# Altium PCB Main Board.PcbDoc
Units mm, origin at the board's own origin, x right, y up, seen from the top; angles counter-clockwise.
Board outline 100 x 71.65 mm, 2 copper layers (Top Layer, Bottom Layer); 60 components, 45 nets, 182 pads, 42 vias.
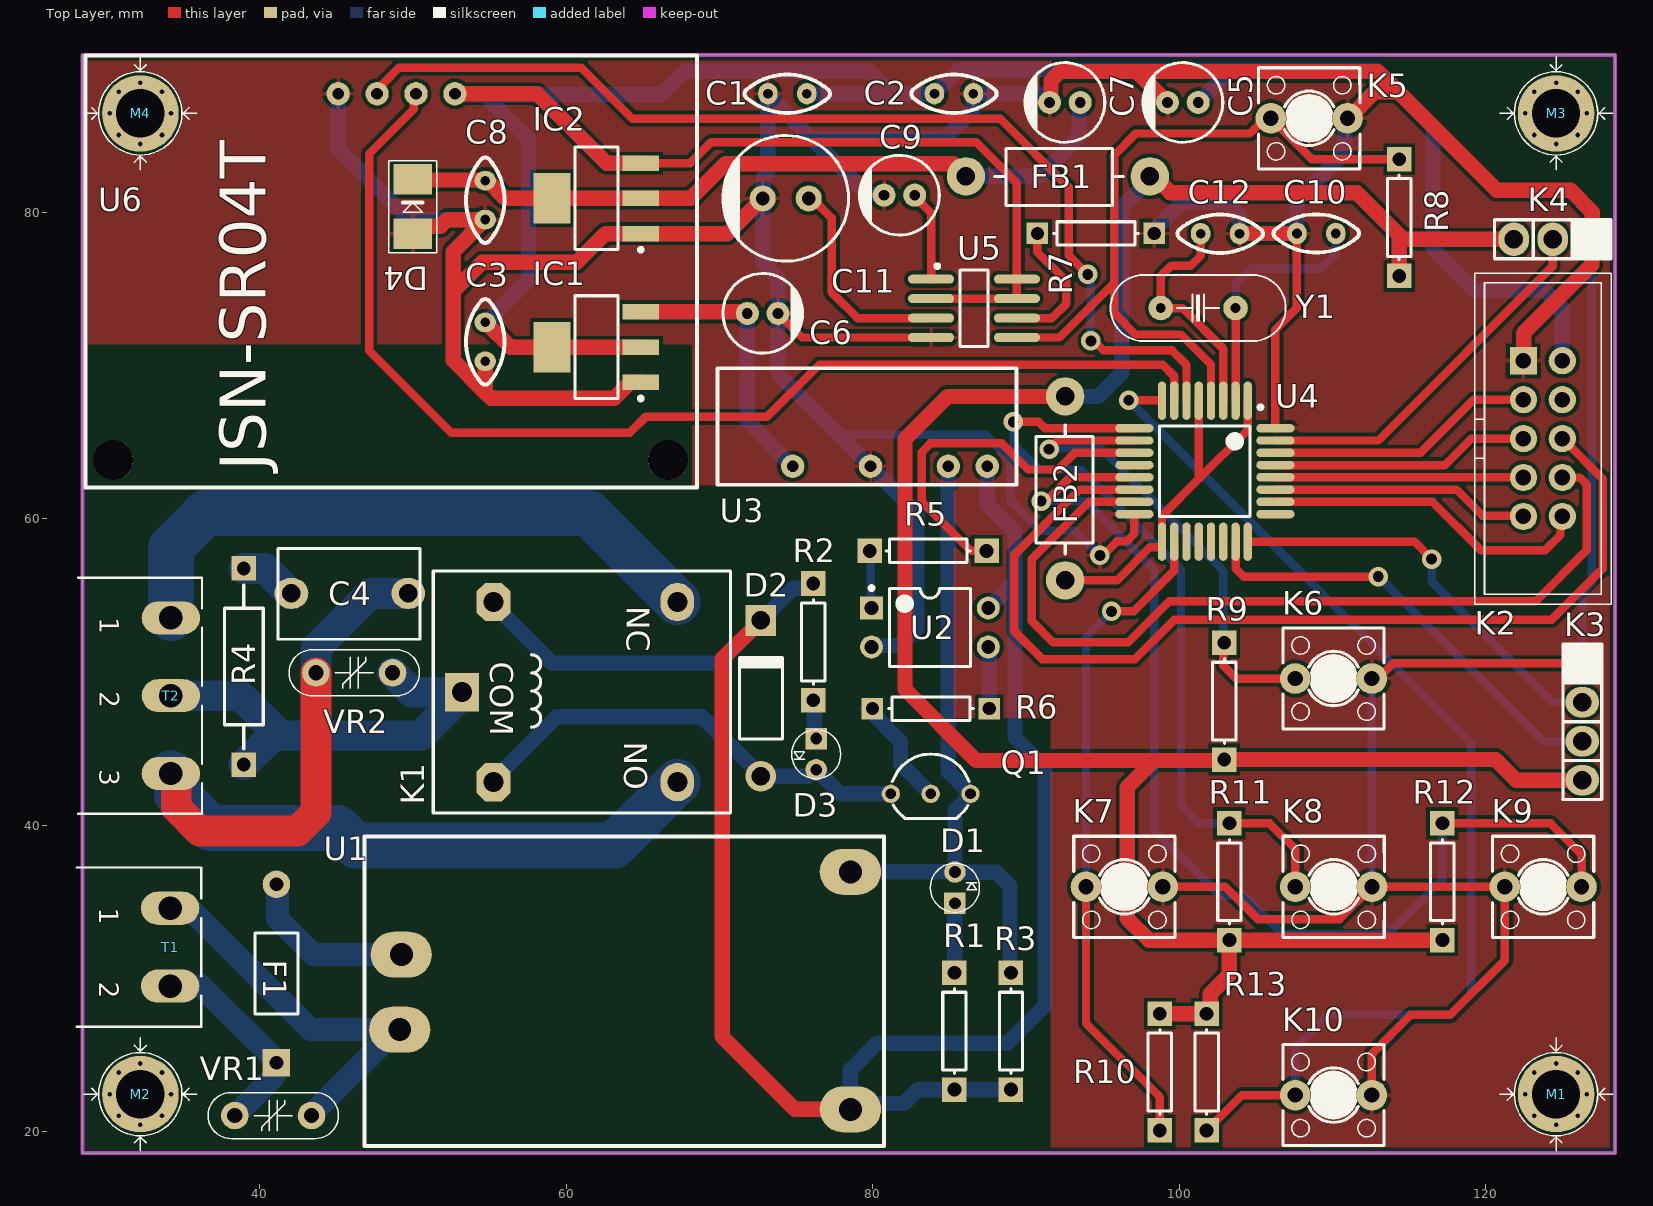
[diagram p0: Top Layer view]
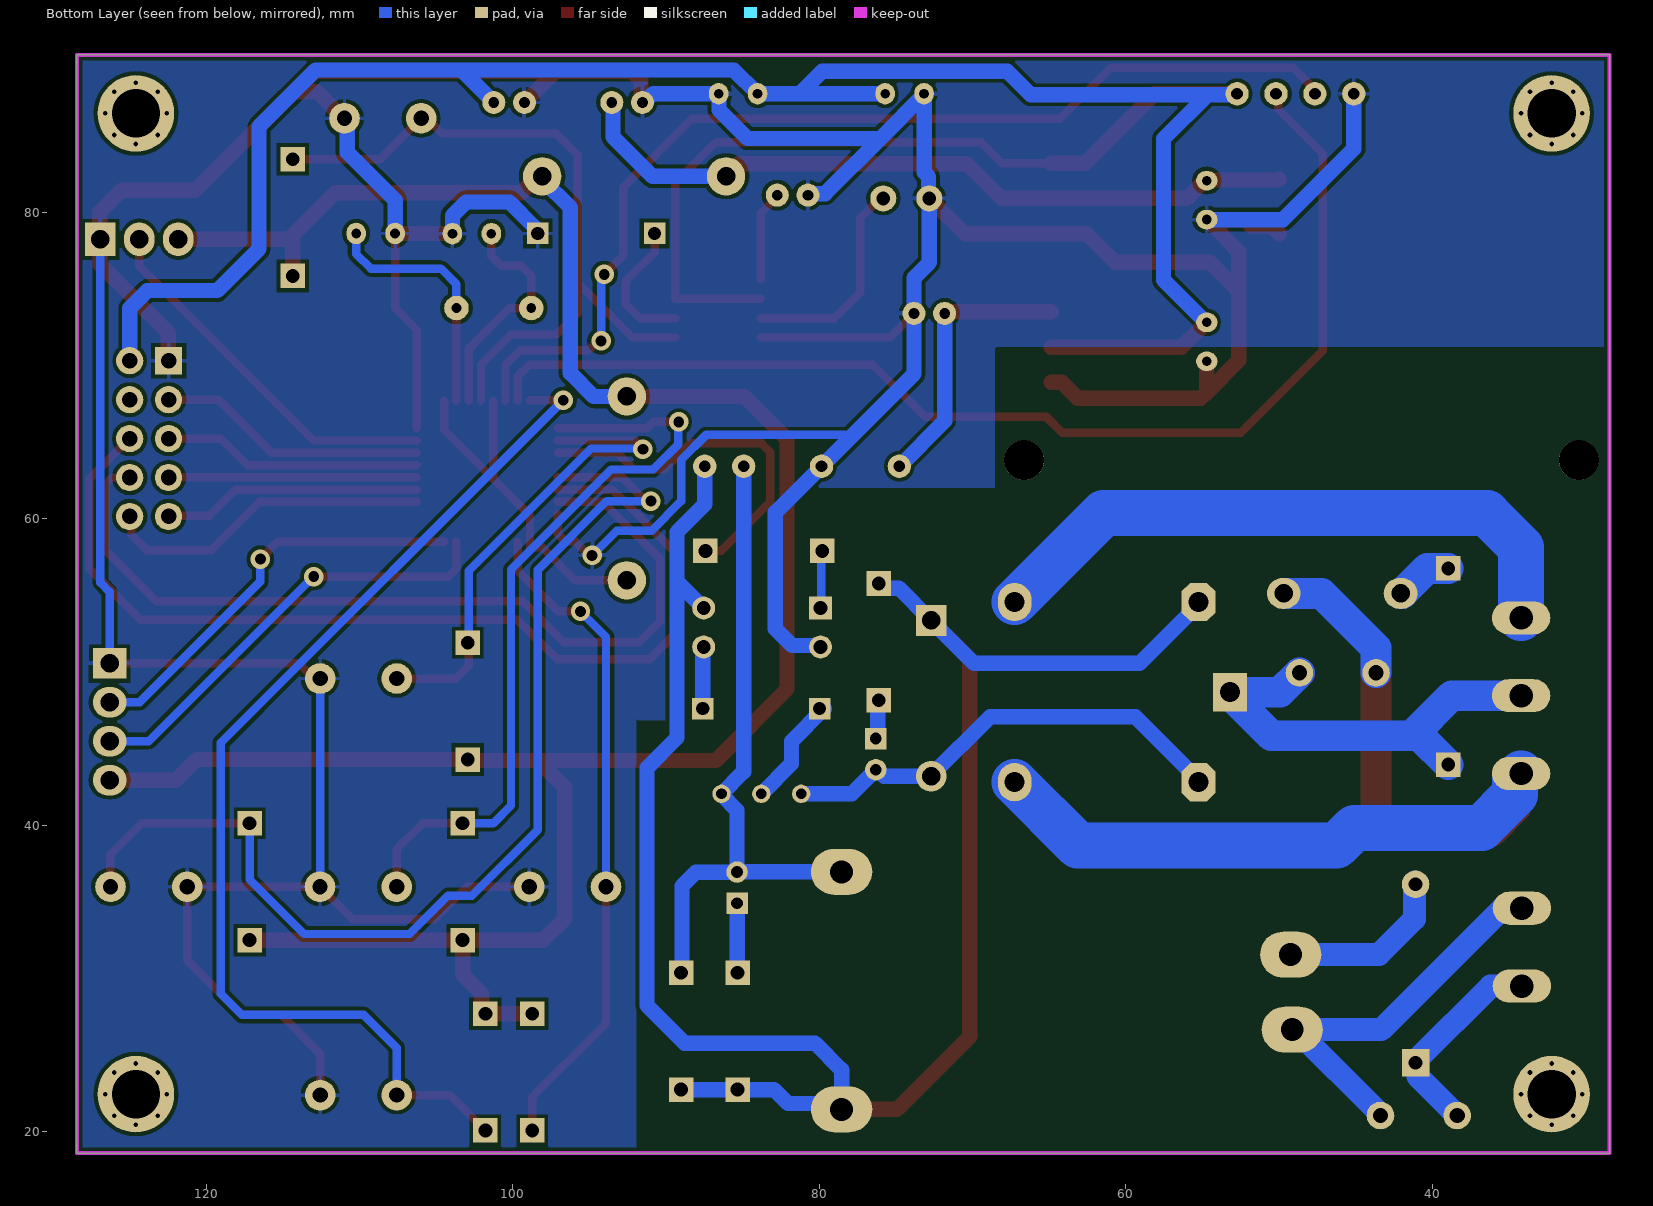
[diagram p1: Bottom Layer view, seen from below]
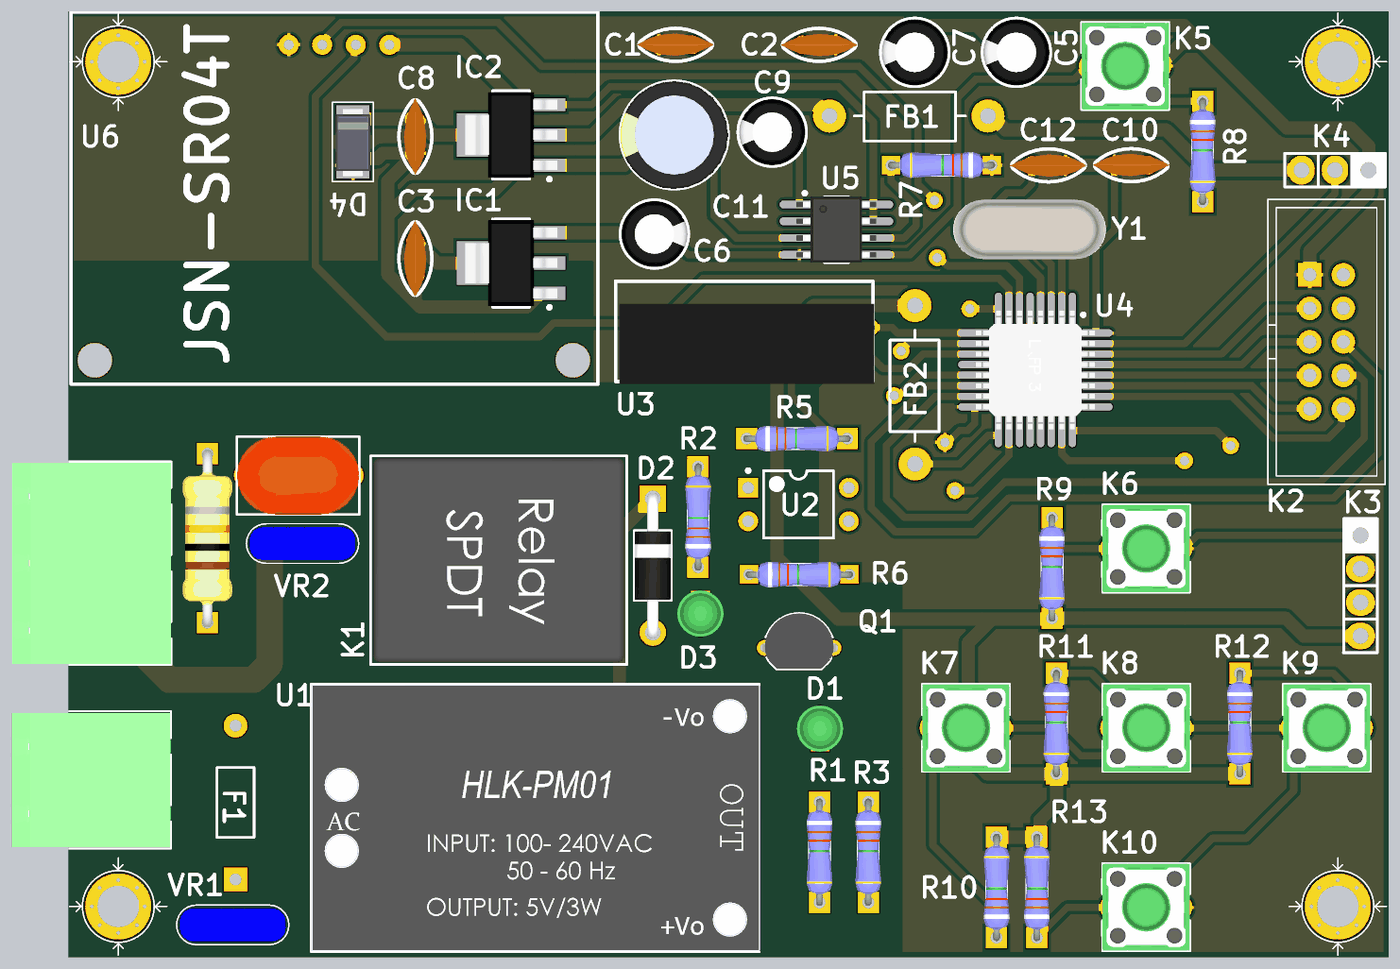
[diagram p2: 3D render of the assembled board from above, using the file's embedded part models]

## Layer stack, top to bottom
Top Solder: solder mask 0.0102, Solder Resist, Dk 3.5
Top Layer: signal copper 0.0356
Dielectric 1: dielectric 0.32, FR-4, Dk 4.8
Bottom Layer: signal copper 0.0356
Bottom Solder: solder mask 0.0102, Solder Resist, Dk 3.5

## Board outline
28.448,18.618 28.448,90.266 128.448,90.266 128.448,18.618

## Design rules (kind name [scope] priority, off if disabled: settings)
Clearance [All] p1: gap=0.25 ignorepadtopadclearanceinfootprint=FALSE
Height [All] p1: minheight=0 maxheight=50 prefheight=12.7
PolygonConnect [All] p1: connectstyle=Relief reliefconductorwidth=0.254 reliefentries=4 polygonreliefangle="90 Angle" airgapwidth=0.254
RoutingVias [All] p1: holewidth=0.711 width=1.27 viastyle="Through Hole" minholewidth=0.711 minwidth=1.27 maxholewidth=0.711 maxwidth=1.27
SolderMaskExpansion [All] p1: expansion=0.102 istentingtop=FALSE
Width [All] p1: maxlimit=5 minlimit=0.254 preferedwidth=0.254
29 further rules are at their usual default settings.

## Classes and differential pairs
component class Schematic: C1 C2 C3 C4 C5 C6 C7 C8 C9 C10 C11 C12 D1 D2 D3 D4 F1 FB1 FB2 IC1 IC2 K1 K2 K3 K4 K5 K6 K7 K8 K9 K10 Q1 R1 R2 R3 R4 R5 R6 R7 R8 R9 R10 R11 R12 R13 T1 T2 U1 U2 U3 U4 U5 U6 VR1 VR2 Y1

## Components (designator, comment, footprint, x,y, rotation, side; value= is the part's Value field where it differs from the comment)
C1 "Capacitor." Cap_100nF 74.442,87.731 r180 top value=100nF
C2 "Capacitor." Cap_100nF 85.305,87.731 r0 top value=100nF
C3 "Capacitor." Cap_100nF 54.728,71.544 r270 top value=100nF
C4 "10nF" Cap-100nF-400V 49.705,55.128 r180 top
C5 "Capacitor_Ele" cap-ele-02. 100.246,87.161 r180 top value=22uF
C6 "Capacitor_Ele" cap-ele-02. 72.833,73.399 r0 top value=10uF
C7 "Capacitor_Ele" cap-ele-02. 92.549,87.161 r180 top value=22uF
C8 "Capacitor." Cap_100nF 54.728,80.789 r270 top value=100nF
C9 "Capacitor_Ele" cap-ele-02. 81.752,81.113 r180 top value=0.1uF
C10 "Capacitor." Cap_100nF 108.954,78.614 r180 top value=18pF
C11 "Capacitor_Ele" Cap-Ele-03. 74.333,80.903 r180 top value=220uF
C12 "Capacitor." Cap_100nF 102.675,78.6 r0 top value=18pF
D1 "LED3MM" LED3mm_GRN 85.373,35.932 r90 top
D2 "1N4148" DO_41 72.712,48.286 r90 top
D3 "LED3MM" LED3mm_GRN 76.319,44.644 r270 top
D4 "SMBJ3.3A" DO214AA 50.007,77.718 r270 top
F1 "250V/1A" PIN-W2/E2.8 41.107,30.329 r90 top
FB1 "25-100MHz Ferrite" Ferrite 86.092,82.341 r0 top
FB2 "25-100MHz Ferrite" Ferrite 92.57,67.981 r270 top
IC1 "AMS1117-5V" MP04A_N 61.978,71.199 r180 top
IC2 "AMS1117-3.3V" MP04A_N 61.978,80.903 r180 top
K1 "" "Relay 18.85x15.35x15.70" 60.238,48.689 r270 top
K2 "IDC10" IDC10-B 122.465,70.311 r270 top
K3 "PROGRAM" HEADER-1X4 126.307,50.568 r0 top
K4 "BOOT0" HEADER-1X3 126.918,78.236 r270 top
K5 "RESET" SW_4 108.49,86.127 r0 top
K6 "UP_KEY" SW_4 110.075,49.575 r180 top
K7 "LEFT_KEY" SW_4 96.425,35.988 r180 top
K8 "OK_KEY" SW_4 110.087,35.988 r180 top
K9 "RIGHT_KEY" SW_4 123.75,35.987 r0 top
K10 "DOWN_KEY" SW_4 110.075,22.4 r180 top
M1 "Comment" "Board Screw 3mm" 124.595,22.458 r0 top
M2 "Comment" "Board Screw 3mm" 32.227,22.458 r0 top
M3 "Comment" "Board Screw 3mm" 124.595,86.449 r0 top
M4 "Comment" "Board Screw 3mm" 32.227,86.449 r0 top
Q1 "BC547" "TO-92 BENT" 83.793,42.053 r0 top
R1 "Resistor" Resistor_0.25w-0.3#1 85.34,26.567 r270 top value=1K
R2 "Resistor" Resistor_0.25w-0.3#1 76.135,51.966 r90 top value=1K
R3 "Resistor" Resistor_0.25w-0.3#1 89.031,26.567 r270 top value=1K
R4 "Resistor" Resistor_0.5W 38.976,50.36 r90 top value=39
R5 "Resistor" Resistor_0.25w-0.3#1 83.631,57.905 r0 top value=1K
R6 "Resistor" Resistor_0.25w-0.3#2 83.804,47.608 r0 top value=220
R7 "Resistor" Resistor_0.25w-0.3#2 94.569,78.614 r180 top value=10K
R8 "Resistor" Resistor_0.25w-0.3#1 114.358,79.651 r270 top value=10K
R9 "Resistor" Resistor_0.25w-0.3#1 102.95,48.098 r270 top value=2.2K
R10 "Resistor" Resistor_0.25w-0.3#1 98.741,23.901 r90 top value=2.2K
R11 "Resistor" Resistor_0.25w-0.3#1 103.281,36.318 r270 top value=2.2K
R12 "Resistor" Resistor_0.25w-0.3#1 117.175,36.318 r270 top value=2.2K
R13 "Resistor" Resistor_0.25w-0.3#1 101.795,23.901 r90 top value=2.2K
T1 "AC INPUT" "MSTB 2,5/2-G-5,08" 34.175,32.05 r270 top
T2 "RELAY-OUT" "MSTB 2,5/3-G-5,08" 34.217,48.457 r270 top
U1 "HLK-PM12" HLK-PM 49.152,26.668 r0 top
U2 "Optoisolator1" DIP-4 83.743,52.908 r0 top
U3 "MA03-12S09" MA03-12S09 79.784,65.122 r180 top
U4 "STM32F030K6T6" LQFP32 101.683,63.105 r270 top
U5 "TL7705AD" D008_N 86.618,73.73 r0 top
U6 "JSN-SR04T" JSN-SR04T-H 52.753,87.731 r180 top
VR1 "7D391K" "07D XXX" 40.896,21.062 r0 top
VR2 "7D391K" "07D XXX" 46.184,49.952 r180 top
Y1 "8MHz" "XTAL Small" 101.243,73.748 r180 top

## Footprints (in the part's own frame and the unit in brackets; to place one, negate y for a bottom-side part, rotate by r counter-clockwise, add the part's x,y. Pads: shape width x height; smd on the part's side, far side on the other; paste and mask are expansions set on the pad)
"07D XXX" [mm] "MOV-07DxxxK Metal Oxide Varistors (MOVs) are 7 mm-Design:Abbas Basereh"
  round 1.8 hole 1: 1(2.5,0) 2(-2.5,0)
  silkscreen extent -4.25,-1.5 4.25,1.5, body extent -4,-1.26 4,1.25, height 11
"Board Screw 3mm" [mm]
  round 5 hole 3.15 mask+0.1: S(0,0)
  silkscreen extent -3.68,-3.68 3.68,3.68
Cap-100nF-400V [mm] "Bipolar Capacitor-Design:Ali Hafizi"
  oval 2.2x2 hole 1.2: 1(0,0) 2(7.62,0)
  silkscreen extent -0.77,-2.93 8.5,2.99, body extent -0.77,-2.93 8.5,2.99, height 11.68
cap-ele-02. [mm]
  round 1.5 hole 0.7: 1(-1,0) 2(1,0)
  silkscreen extent -2.6,-2.6 2.6,2.6, body extent -2.5,-2.5 2.49,2.5, height 7.26
Cap-Ele-03. [mm]
  round 1.7 hole 0.9: 1(-1.5,0) 2(1.5,0)
  silkscreen extent -4.1,-4.1 4.1,4.1, body extent -4.1,-4.1 4.1,4.1, height 14.65
Cap_100nF [mil]
  oval 50x55 hole 25: 1(-50,0) 2(50,0)
  silkscreen extent -110,-49 110,49, body extent -115,-34 115,33, height 272
D008_N [mm] "SOIC, 8-Leads, Body 4.9x3.9mm, Pitch 1.27mm, IPC Medium Density"
  oval 3x0.6 smd: 1(-2.8,1.905) 2(-2.8,0.635) 3(-2.8,-0.635) 4(-2.8,-1.905) 5(2.8,-1.905) 6(2.8,-0.635) 7(2.8,0.635) 8(2.8,1.905)
  silkscreen extent -2.52,-2.5 0.9,2.88, body extent -3.02,-2.51 3.02,2.51, height 1.6
DIP-4 [mm] "DIP; 4 Leads; Row Spacing 7.62 mm; Pitch 2.54 mm"
  rect 1.5x1.5 hole 0.9: 1(-3.81,1.27)
  round 1.5 hole 0.9: 2(-3.81,-1.27) 3(3.81,-1.27) 4(3.81,1.27)
  silkscreen extent -3.93,-2.55 2.65,2.69, body extent -3.15,-2.5 3.15,2.5, height 5.6
DO214AA [mm]
  rect 2x2.5 smd: A(-0.875,0) K(-4.425,0)
  silkscreen extent -5.65,-1.58 0.35,1.55, body extent -5.2,-1.3 0,1.3, height 2.4
DO_41 [mm]
  round 2 hole 1.2: 1(-5.08,0)
  rect 2x2 hole 1.2: 2(5.08,0)
  silkscreen extent -2.65,-1.4 2.75,1.4, body extent -5.51,-1.36 5.51,1.36, height 2.72
Ferrite [mm]
  round 2.5 hole 1.2: 1(0,0) 2(12,0)
  silkscreen extent 1.88,-1.9 10.29,1.82
HEADER-1X3 [mm]
  rect 2.2x2 hole 1.2: 1(0,0)
  oval 2.2x2 hole 1.2: 2(0,-2.54) 3(0,-5.08)
  silkscreen extent -1.27,-6.35 1.27,1.27, body extent -1.27,-6.35 1.27,1.27, height 11.94
HEADER-1X4 [mm]
  rect 2.2x2 hole 1.2: 1(0,0)
  oval 2.2x2 hole 1.2: 2(0,-2.54) 3(0,-5.08) 4(0,-7.62)
  silkscreen extent -1.3,-8.89 1.27,1.27, body extent -1.27,-8.89 1.27,1.27, height 11.94
HLK-PM [mm]
  oval 4x3 hole 1.5: 0(0.1,4.9) 1(0,0) 2(29.4,-5.2) 3(29.4,10.3)
  silkscreen extent -2.3,-7.6 31.6,12.6, body extent -2.3,-7.6 31.7,12.6, height 17.6
IDC10-B [mil]
  rect 70x70 hole 40: 1(0,0)
  round 70 hole 40: 2(0,100) 3(100,0) 4(100,100) 5(200,0) 6(200,100) 7(300,0) 8(300,100) 9(400,0) 10(400,100)
  silkscreen extent -225,-125 625,225, body extent -225,-125 625,225, height 358
JSN-SR04T-H [mil]
  round 60 hole 30: 1(0,0) 2(100,0) 3(200,0) 4(300,0)
  round 102.36 hole 102.36: 6(-547.24,940.94) 7(877.95,940.94)
  silkscreen extent -622,-98 949,1012
LED3mm_GRN [mil]
  rect 55x55 hole 30: 1(-40,0)
  round 55 hole 30: 2(40,0)
  silkscreen extent -63,-63 63,63, body extent -69,-69 69,69, height 154
LQFP32 [mm]
  oval 2.5x0.55 smd: 1(-4.6,2.8) 2(-4.6,2) 3(-4.6,1.2) 4(-4.6,0.4) 5(-4.6,-0.4) 6(-4.6,-1.2) 7(-4.6,-2) 8(-4.6,-2.8) 17(4.6,-2.8) 18(4.6,-2) 19(4.6,-1.2) 20(4.6,-0.4) 21(4.6,0.4) 22(4.6,1.2) 23(4.6,2) 24(4.6,2.8)
  oval 0.55x2.5 smd: 9(-2.8,-4.6) 10(-2,-4.6) 11(-1.2,-4.6) 12(-0.4,-4.6) 13(0.4,-4.6) 14(1.2,-4.6) 15(2,-4.6) 16(2.8,-4.6) 25(2.8,4.6) 26(2,4.6) 27(1.2,4.6) 28(0.4,4.6) 29(-0.4,4.6) 30(-1.2,4.6) 31(-2,4.6) 32(-2.8,4.6)
  silkscreen extent -4.3,-2.95 2.95,3.75, body extent -4.5,-4.5 4.5,4.5, height 1.63
MA03-12S09 [mil]
  round 60 hole 30: 1(-303.15,66.93) 2(-203.15,66.93) 4(-3.15,66.93) 6(196.85,66.93)
  silkscreen extent -378,-185 390,114, body extent -382,-118 378,122, height 400
MP04A_N [mm] "SOT223, 4-Leads, Body 6.5x3.5mm, Pitch 2.3mm, Lead Span 7mm, IPC Medium Density"
  rect 2.4x1 smd: 1(-2.9,2.3) 2(-2.9,0) 3(-2.9,-2.3)
  rect 2.4x3.3 smd: 4(2.9,0)
  silkscreen extent -3.03,-3.35 1.4,3.47, body extent -3.49,-3.24 3.49,3.24, height 1.64
"MSTB 2,5/2-G-5,08" [mil] "Header, Nominal current: 12 A Rated voltage (III/2): 320 V Number of positions: 2 Pitch: 5.08 mm Color: green Contact surface: Tin Assembly: Soldering DESIGNER:ABBAS BASEREH"
  oval 85x150 hole 60: 1(-100,0) 2(100,0)
  silkscreen extent -205,-240 205,80, body extent -199,-394 201,79, height 340
"MSTB 2,5/3-G-5,08" [mil] "Header, Nominal current: 12 A Rated voltage (III/2): 320 V Number of positions: 3 Pitch: 5.08 mm Color: green Contact surface: Tin Assembly: Soldering  DESIGNER:ABBAS BASEREH"
  oval 85x150 hole 60: 1(-200,0) 2(0,0) 3(200,0)
  silkscreen extent -303,-238 303,80, body extent -300,-394 300,79, height 340
PIN-W2/E2.8 [mm] "Thru-Hole; 2 Leads"
  rect 1.8x1.8 hole 0.9: 1(-5.825,0)
  round 1.8 hole 0.9: 2(5.825,0)
  silkscreen extent -2.65,-1.4 2.65,1.4
"Relay 18.85x15.35x15.70" [mm] "DESIGNER ABBAS BASEREH"
  rect 2.5x2.2 hole 1.3: 1(0,-7.025)
  oval 2.5x2.2 hole 1.3: 2(-5.875,7.025) 3(5.875,7.025)
  oct 2.5x2.2 hole 1.3: 4(-5.875,-4.975) 5(5.875,-4.975)
  silkscreen extent -7.9,-8.9 7.9,10.5, body extent -7.75,-8.7 7.75,10.3, height 15.6
Resistor_0.5W [mm]
  rect 1.6x1.6 hole 0.9: 1(-6.4,0) 2(6.4,0)
  silkscreen extent -5.38,-1.27 5.32,1.27, body extent -6.75,-1.87 6.7,1.87, height 4.38
Resistor_0.25w-0.3#1 [mm] "Axial Device, Thru-Hole; 2 Leads; 0.3 in Pin Spacing"
  rect 1.6x1.6 hole 0.9: 1(-3.81,0) 2(3.81,0)
  silkscreen extent -2.77,-0.76 2.77,0.76, body extent -4.06,-0.98 4.06,0.97, height 2.51
Resistor_0.25w-0.3#2 [mm] "Axial Device, Thru-Hole; 2 Leads; 0.3 in Pin Spacing"
  rect 1.4x1.4 hole 0.85: 1(-3.81,0) 2(3.81,0)
  silkscreen extent -2.77,-0.76 2.77,0.76, body extent -4.06,-0.98 4.06,0.97, height 2.51
SW_4 [mm]
  round 2 hole 1: 1(-2.5,0) 2(2.5,0)
  silkscreen extent -3.3,-3.3 3.3,3.3, body extent -3.3,-3.3 3.3,3.3, height 9.53
"TO-92 BENT" [mm] "DESIGNER :ABBAS BASEREH"
  round 1.2 hole 0.7: 1(-2.6,0) 2(0,0) 3(2.6,0)
  silkscreen extent -2.51,-1.6 2.51,2.6, body extent -2.79,-1.59 2.79,2.61, height 10
"XTAL Small" [mm]
  round 1.6 hole 0.635: 1(-2.44,0) 2(2.44,0)
  silkscreen extent -5.71,-2.16 5.71,2.16, body extent -5.75,-2.25 5.75,2.25, height 3.56

## Part data
C1 C2 C3 C8 C10 C12: "Capacitor", LatestRevisionDate=17-Jul-2002, LatestRevisionNote="Re-released for DXP Platform.", Publisher="Altium Limited"
C4: library part "CAP CERAMIC TOTAL SIZE", "10nF/400V Polyester - DIP", Designer="Bardia Alikhan Afshar"
C5 C6 C7 C9 C11: library part Capacitor_Ele., Voltage=16v, LatestRevisionDate=17-Jul-2002, LatestRevisionNote="Re-released for DXP Platform.", Publisher="Altium Limited"
D1 D3: library part "LED 3MM", "Light Emitting Diode", Designer="Bardia Alikhan Afshar"
D2: library part Diode_1N4007, "Diode 1N4007", LatestRevisionDate=17-Jul-2002, LatestRevisionNote="Re-released for DXP Platform.", Publisher="Altium Limited"
D4: library part SMBJ12AVCL, "Transient Surpression Diode (Transil)", Manufacturer=STMicroelectronics, Manufacturer Part Number=SMBJ12CA-TR, Supplier Part Number 1=497-3002-2-ND, Supplier 1=Digi-Key
F1: library part "Fuse 1", "Fuse", LatestRevisionDate=17-Jul-2002, LatestRevisionNote="Re-released for DXP Platform.", PackageDescription="Thru-Hole; 2 Leads", PackageReference=PIN-W2/E2.8, Published=8-Jun-2000, Publisher="Altium Limited"
FB1 FB2: library part Ferrite
IC1 IC2: library part IC_LM1117IMP-x.x, "x.x Volt, 800mA Low-Dropout Linear Regulator, 4-pin SOT-223", Manufacturer="National Semiconductor", Operating Temperature="-55 ~ +125 (C)", PackageTopMarking=XYTT*N05B, Category="Integrated Circuit", Code_IPC=SOT223-4, ComponentLink1Description=Datasheet, ComponentLink1URL=www.datasheet4u.com, ComponentLink2Description=Reference, ComponentLink2URL=http://www.national.com/pf/LM/LM1117.html, DatasheetVersion=Apr-2006, Designer="Bardia Alikhan Afshar", ESD Sensetive=True/False, Mounting Technology="Surface Mount", PackageDescription="Molded SOT-223, 6.50 x 3.56 x 1.6mm Body, 4 Lead, 2.3mm Pitch", PackageReference=MP04A, PinCount=4, RoHS compliant=True/False, Status=Unrelease, Update=6/5/2012
K1: library part Relay_SPDT, "Single-Pole Dual-Throw Relay", ComponentLink1Description=Datasheet, Designer="Bardia Alikhan Afshar", Mounting Technology=Through-Hole, Pin Count=0, Update Date=2017-3-1
K2: "BOXHEADER 10 PIN", Color=Gray, Manufacturer Part Number=AWHW10G-0202-T-R, Supplier Part Number=HRP10H-ND, Category="Connectors, Interconnects", Connector type="Header, Shrouded", Contact Finish=Gold, Contact Finish Thickness=Flash, Contact Mating Length=-, Contact Type="Male Pin", Fastening Type=-, Features=-, Mounting Type="Through Hole", Number of Positions=10, Number of Positions Loaded=All, Number of Rows=2, Packaging=Tray, Pitch="0.100\" (2.54mm)", RoHS="RoHS Compliant", Row Spacing="0.100\" (2.54mm)", Supplier=Digi-Key, Supplier 1=Digi-Key, Supplier Part Number 1=HRP10H-ND, Termination=Solder
K3: library part HEADER-1X4, Supplier Part Number 1=S1011E-36-ND, Supplier 1=Digi-Key
K4: library part HEADER-1X3, Supplier Part Number 1=S1011E-36-ND, Supplier 1=Digi-Key
K5 K6 K7 K8 K9 K10: library part Push_Button, Design By="Bardia Alikhan Afshar"
Q1: "NPN General-purpose Transistor", Data=27-12-2016, Desc.="Plastic Medium-Power. Silicon NPN Transistors", Designer="Bardia Alikhan Afshar", Part. No=BC547
T1: library part CON_Phoenix_MSTB_02, "2 Pitch: 5.08 mm Color: green Contact surface: Tin Assembly", Manufacturer="PHOENIX CONTACT", Max Current="12 A", Voltage="320 V", Category=Connector, ComponentLink1Description="Header, Nominal current: 12 A Rated voltage (III/2): 320 V Number of positions: 2 Pitch: 5.08 mm Color: green Contact surface: Tin Assembly: Soldering  DESIGNER:ABBAS BASEREH", ComponentLink2Description=Reference, Connector type="PCB Terminal Block", Designer="Bardia Alikhan Afshar", Mounting Technology=Through-Hole, Pin Count=2, Positions=2, Revision 1=2017-3-1, Status=Unreleased
T2: library part CON_Phoenix_MSTB_03, "3 Pitch: 5.08 mm Color: green Contact surface: Tin Assembly", Manufacturer="PHOENIX CONTACT", Max Current="12 A", Voltage="320 V", Category=Connector, ComponentLink1Description="Header, Nominal current: 12 A Rated voltage (III/2): 320 V Number of positions: 3 Pitch: 5.08 mm Color: green Contact surface: Tin Assembly: Soldering  DESIGNER:ABBAS BASEREH", ComponentLink2Description=Reference, Connector type="PCB Terminal Block", Designer="Bardia Alikhan Afshar", Mounting Technology=Through-Hole, Pin Count=3, Positions=3, Revision 1=2017-3-1, Status=Unreleased
U1: library part HLK-PM, "AC/DC Converter"
U2: "4-Pin Phototransistor Optocoupler", DatasheetVersion=Nov-2003, LatestRevisionDate=04-Mar-2005, LatestRevisionNote="Sch pins 3 & 4 Swapped.", PackageReference=DIP-4, Published=24-Mar-1999, Publisher="Altium Limited"
U3: library part MA03-12S0x, "DC/DC Converter"
U4: "ARM Cortex-M0 32-bit MCU, 32 KB Flash, 4 KB Internal RAM, 26 I/Os, 32-pin LQFP, -40 to 85 degC, Tray", I/Os (High Current)=26, Operating Frequency(F) (Processor speed) (MHz)=48, Supplier Part Number 1=497-14046-ND, Supply Voltage(Vcc) min (V)=2.4, ComponentLink1Description="Manufacturer URL", ComponentLink1URL=http://www.st.com/web/en/home.html, ComponentLink2Description=Datasheet, ComponentLink2URL=http://www.st.com/st-web-ui/static/active/en/resource/technical/document/datasheet/DM00088500.pdf, ComponentLink3Description="Package Specification", ComponentLink3URL=http://www.st.com/st-web-ui/static/active/en/resource/technical/document/datasheet/DM00088500.pdf, Core="ARM Cortex-M0", DatasheetVersion="Rev. 1", FLASH Size (Prog) (kB)=32, Internal RAM Size (kB)=4, Mounting Technology="Surface Mount", PackageDescription="32-Pin Low Profile Quad Flat Package, 7 x 7 mm Body, 0.8 mm Pitch", PackageReference=LQFP32, PackageVersion="Rev. 1, 07/2013", Packing=Tray, PartNumber=STM32F030K6T6, Supplier 1=Digi-Key, Supplier 2=Newark, Supplier 3=Mouser, Supplier Part Number 2=19X6194, Supplier Part Number 3=511-STM32F030K6T6
U5: "Supply Voltage Supervisor", Code_IPC=SOIC127P600-8, ComponentLink1Description="Manufacturer Link", ComponentLink1URL=http://www.ti.com/, DatasheetVersion=Oct-1988, LatestRevisionDate=13-Apr-2006, LatestRevisionNote="IPC-7351 Footprint Added.", PackageDescription="8-Pin Small Outline Integrated Circuit 1.27 mm Pitch", PackageReference=D008, PackageVersion=Jan-1998, Published=15-Apr-2002, Publisher="Altium Limited"
U6: "Ultrasonic Range Finder"
VR1 VR2: library part "VARISTOR (VDR)", "VARISTORS", Data=2017-1-5, Models=MOV-VDR-COV
  VR1: Designer="Bardia Alikhan Afshar"
  VR2: Designer="Abbas Basereh", Publisher="Bardia Alikhan Afshar"
Y1: library part XTAL, "XTAL Crystal", Design Date=11/04/2011
R1 R2 R3 R4 R5 R6 R7 R8 R9 R10 R11 R12 R13: Email=bardia.a.afshar@gmail.com, LatestRevisionNote="Re-released for puplic", Published=17-Jun-2016, Publisher="Bardia Alikhan Afshar"

## Via types
v1: diameter 0.5, hole 0.3, Top Layer to Bottom Layer, 32 vias
v2: diameter 1.27, hole 0.711, Top Layer to Bottom Layer, 10 vias

## Nets (pads, with @x,y where several pads share a name; then routed paths per layer and width w, separated by ;. In a path a pad name is that pad's centre, name@x,y a point inside that pad or via, vN(x,y) a via of type N, cw(c..) or ccw(c..) an arc to the next point about the centre after c; other vN are vias at no path point)
+3.3: FB1.2 FB2.1 K3.4 K4.3 R8.2 R9.2 R10.2 R11.2 R12.2 R13.2 | length 161.3
  Top Layer w1: FB2.1 84.895,67.981 82.115,65.201 82.115,48.877 86.76,44.231 98.373,44.231 ; FB1.2 98.365,82.341 99.427,81.279 111.586,81.279 114.358,78.508 ; R10.2 R13.2 102.03,27.945 102.03,29.007 103.281,30.259 R11.2 ; R8.2 114.358,78.508 ; R12.2 R11.2 ; K4.3 114.63,78.236 114.358,78.508 ; K3.4 121.987,42.948 120.647,44.288 R9.2 102.893,44.231 98.373,44.231 ; 98.373,44.231 96.614,42.472 96.614,33.916 98.023,32.508 R11.2
  Bottom Layer w1: FB2.1 94.727,67.981 96.25,69.504 96.25,80.294 98.092,82.136 FB1.2
+5: C1.1 C2.1 C3.1 C5.1 IC1.2 IC1.4 IC2.3 K2.2 U5.2 U5.7 U5.8 U6.1 | length 178.7
  Top Layer w0.55: IC2.3 68.105,83.203 69.476,84.574 86.748,84.574 89.418,81.904 U5.8 U5.7 U5.2
  Top Layer w1: U6.1 58.114,87.731 62.642,83.203 IC2.3 ; C3.1 54.762,72.814 56.378,71.199 IC1.4 IC1.2
  Bottom Layer w1: U6.1 52.827,87.657 54.688,87.657 ; C3.1 54.792,72.814 57.551,75.574 57.551,84.793 54.688,87.657 ; C1.1 81.283,87.731 ; C5.1 103.365,89.28 ; K2.2 125.005,73.731 123.849,74.887 119.288,74.887 116.562,77.613 116.562,85.581 112.863,89.28 103.365,89.28 ; 54.688,87.657 66.21,87.657 67.755,89.202 79.812,89.202 81.283,87.731 ; 81.283,87.731 C2.1 84.045,87.731 85.593,89.28 103.365,89.28
+12: D2.2 K1.4 R1.2 R2.2 R3.2 U1.2 U2.4 U3.1 | length 130.5
  Top Layer w1: D2.2 70.184,50.838 70.184,26.233 74.949,21.468 U1.2
  Bottom Layer w1: K1.4 55.263,54.414 59.113,50.564 69.91,50.564 D2.2 74.822,55.476 75.835,55.476 R2.2 ; U3.1 87.484,60.936 89.289,59.131 89.289,55.901 ; U2.4 87.567,54.178 89.29,55.901 ; R3.2 R1.2 82.961,22.757 82.052,21.848 78.932,21.848 U1.2 78.552,21.848 78.552,24.051 80.29,25.789 88.799,25.789 91.251,28.241 91.251,43.751 89.29,45.713 89.29,55.901
BOOT0: K4.2 U4.31 | length 24.6
  Top Layer w0.55: U4.31 112.998,65.105 124.378,76.485 K4.2
COM: K1.1 R4.1 T2.2 VR2.2 | length 29.6
  Bottom Layer w2: T2.2 38.753,48.457 41.374,45.836 ; R4.1 40.853,45.836 50.51,45.836 53.213,48.539 K1.1 49.946,48.689 VR2.2
DB4: K2.9 U4.27 | length 16.9
  Top Layer w0.55: U4.27 118.089,61.905 119.789,60.205 122.411,60.205 K2.9
DB5: K2.7 U4.28 | length 16.2
  Top Layer w0.55: U4.28 122.451,62.705 K2.7
DB6: K2.5 U4.29 | length 16.9
  Top Layer w0.55: U4.29 117.345,63.505 119.071,65.231 K2.5
DB7: K2.3 U4.30 | length 17.6
  Top Layer w0.55: U4.30 115.755,64.305 119.221,67.771 K2.3
EN: K2.10 U4.26 | length 21.6
  Top Layer w0.55: U4.26 116.542,61.105 119.702,57.944 123.883,57.944 124.885,58.946 124.885,60.031 K2.10
GND: C1.2 C2.2 C3.2 C5.2 C6.2 C7.2 C8.2 C9.2 C10.2 C11.2 C12.2 D4.A IC1.1 IC2.1 K2.1 K3.1 K4.1 K5.2 K6.1 K7.1 K8.1 K9.1 K10.1 R7.1 U2.2 U3.4 U4.16 U4.32 U5.4 U6.4 | length 366.9
  Top Layer w0.55: C6.2 75.407,71.825 U5.4 ; v2(94.835,57.611) 95.03,57.611 95.946,58.526 96.581,58.526 97.083,59.028 U4.16 ; K7.1 103.016,35.987 105.129,33.874 110.475,33.874 K8.1 ; U4.32 106.283,72.344 107.677,73.738 C10.2@107.677,78.607 ; K10.1 112.575,25.094 115.108,27.627 117.684,27.627 121.25,31.193 K9.1 K8.1 ; K6.1 112.968,49.575 113.961,50.568 K3.1
  Top Layer w1: D4.A 50.507,79.093 51.817,79.093 52.243,79.519 C8.2 52.648,77.438 52.648,74.843 ; C3.2 54.728,68.247 ; IC1.1 64.178,68.899 63.152,67.873 55.102,67.873 54.728,68.247 ; C11.2 70.533,78.603 IC2.1 62.582,78.603 60.715,76.737 54.541,76.737 52.648,74.843 ; C7.2 91.645,87.257 91.645,88.597 92.23,89.183 97.224,89.183 ; C5.2 97.224,89.183 ; C12.2 103.952,78.607 107.677,78.607 C10.2 ; K5.2 111.04,86.127 112.782,87.869 114.273,87.869 ; K2.1 122.465,70.69 122.475,70.7 122.475,72.114 126.918,76.557 K4.1 126.954,78.272 126.954,80.013 125.533,81.434 120.709,81.434 114.273,87.869 ; 52.648,74.843 52.648,70.327 54.728,68.247 ; 97.224,89.183 112.959,89.183 114.273,87.869
  Bottom Layer w0.55: 78.363,65.483 87.381,65.483 89.025,63.839 89.025,61.156 90.969,59.212 93.234,59.212 v2(94.835,57.611) ; K6.1 112.581,49.569 112.581,35.993 K8.1 ; K3.1 126.307,55.228 126.909,55.829 126.909,78.226 K4.1
  Bottom Layer w1: U6.4 45.133,84.143 49.757,79.519 C8.2 ; C1.2 C1.2@73.172,87.668 ; U2.2 80.028,51.734 81.783,51.734 82.872,52.823 82.872,60.414 U3.4 73.833,69.454 C6.2 73.833,75.719 72.833,76.719 C11.2 72.88,80.95 72.88,82.322 73.172,82.613 C1.2@73.172,87.668 ; C9.2 80.656,81.209 79.631,81.209 76.03,84.81 ; C7.2 91.414,87.161 90.843,87.731 C2.2 86.554,87.71 86.554,86.67 84.694,84.81 76.03,84.81 ; R7.1 98.579,78.814 98.579,79.019 100.226,80.667 103.059,80.667 103.945,79.781 C12.2 ; C10.2 107.684,80.786 110.798,83.899 110.798,85.936 K5.2 ; C1.2@73.172,87.668 76.03,84.81
GND1: D1.2 Q1.3 R3.1 U1.3 U3.2 | length 44
  Bottom Layer w1: U1.3 D1.2@85.373,36.968 ; U3.2 84.944,43.501 Q1.3 86.393,41.999 85.373,40.979 D1.2@85.373,36.968 ; R3.1 88.971,30.438 88.971,36.039 88.062,36.948 D1.2 D1.2@85.373,36.968
NC: K1.2 T2.1 | length 41
  Bottom Layer w3: T2.1 34.217,58.117 36.462,60.362 61.465,60.362 K1.2
NetC4_2: C4.2 R4.2 | length 3.8
  Bottom Layer w2: R4.2 40.353,56.76 41.985,55.128 C4.2
NetC6_1: C6.1 IC1.3 U3.6 | length 18.2
  Top Layer w1: IC1.3 71.598,73.499 71.698,73.399 C6.1
  Bottom Layer w1: C6.1 71.833,66.374 U3.6
NetC7_1: C7.1 C8.1 D4.K FB1.1 IC2.2 IC2.4 | length 48.6
  Top Layer w1: D4.K 50.049,82.101 54.686,82.101 C8.1 54.865,82.059 56.02,80.903 IC2.4 IC2.2 68.136,80.903 70.402,83.169 85.263,83.169 FB1.1
  Bottom Layer w1: FB1.1 90.895,82.341 93.465,84.911 93.465,87.077 C7.1
NetC9_1: C9.1 U5.1 | length 5.9
  Top Layer w0.55: C9.1 82.752,81.018 83.818,79.952 U5.1
NetC11_1: C11.1 U5.3 | length 14.1
  Top Layer w0.55: C11.1 76.063,80.903 77.333,79.633 77.333,74.78 79.017,73.095 U5.3
NetD1_1: D1.1 R1.1 | length 4.6
  Bottom Layer w1: R1.1 85.356,30.394 85.356,34.899 D1.1
NetD2_1: D2.1 D3.2 K1.5 Q1.1 | length 30.2
  Bottom Layer w1: K1.5 55.263,42.964 59.38,47.081 68.869,47.081 72.712,43.238 D2.1 75.789,43.206 76.212,43.628 D3.2 77.894,42.053 Q1.1
NetD3_1: D3.1 R2.1 | length 2.7
  Bottom Layer w1: R2.1@76.074,48.218 76.196,48.095 76.196,45.783 D3.1
NetF1_1: F1.1 T1.2 VR1.2 | length 12.4
  Bottom Layer w1.5: T1.2@35.425,29.51 36.209,29.51 40.957,24.762 40.957,24.654 F1.1 40.957,24.354 40.957,23.624 VR1.2
NetF1_2: F1.2 U1.0 | length 11.4
  Bottom Layer w1.5: F1.2@41.159,36.286 41.177,36.267 41.177,33.897 43.506,31.568 U1.0
NetFB2_2: FB2.2 U4.1 U4.5 U4.17 | length 24.2
  Top Layer w0.55: FB2.2 95.94,55.981 98.105,58.146 98.883,58.146 98.883,60.199 101.304,62.62 104.483,65.799 U4.1 ; 101.283,62.641 U4.5
NetQ1_2: Q1.2 R6.1 | length 7.3
  Bottom Layer w1: R6.1@79.693,47.613 81.824,45.482 81.824,44.022 Q1.2
NetR5_1: R5.1 U2.1 | length 3.8
  Bottom Layer w0.55: R5.1 79.877,57.85 79.877,54.234 U2.1
NetR6_2: R6.2 U2.3 | length 4.1
  Bottom Layer w1: U2.3 87.614,51.577 R6.2
NetR7_2: R7.2 U5.6 | length 9
  Top Layer w0.55: U5.6 91.705,73.095 92.64,74.031 92.64,75.502 90.759,77.384 R7.2
NetT1_1: T1.1 U1.1 VR1.1 | length 24.9
  Bottom Layer w1.5: T1.1@35.425,34.59 43.347,26.668 U1.1 ; VR1.1 43.396,21.144 U1.1@48.92,26.668
NO: C4.1 K1.3 T2.3 VR2.1 | length 68.3
  Top Layer w2: T2.3 34.29,43.303 34.58,43.303 34.58,41.145 36.094,39.631 42.479,39.631 43.684,40.836 VR2.1
  Bottom Layer w2: VR2.1 43.684,51.575 47.237,55.128 C4.1
  Bottom Layer w3: T2.3 34.622,42.972 34.622,42.017 36.8,39.839 45.091,39.839 46.251,38.68 63.128,38.68 K1.3
NRST: K5.1 R8.1 U4.4 U5.5 | length 48.9
  Top Layer w0.55: U5.5 92.189,71.825 95.775,75.412 ; U4.4 102.083,70.063 100.122,72.023 97.167,72.023 95.775,73.415 95.775,75.412 ; R8.1 108.655,83.461 K5.1 105.608,86.127 104.616,85.135 97.174,85.135 95.775,83.736 95.775,75.412
OSC_IN: C10.1 U4.2 Y1.1 | length 16.3
  Top Layer w0.55: U4.2 Y1.1 ; C10.1 C10.1@110.226,78.613
  Bottom Layer w0.55: Y1.1 103.683,75.298 104.702,76.317 109.268,76.317 110.224,77.274 C10.1
OSC_OUT: C12.1 U4.3 Y1.2 | length 15.2
  Top Layer w0.55: C12.1 101.405,77.15 100.767,76.512 99.486,76.512 98.803,75.829 Y1.2 100.227,73.748 102.883,71.092 U4.3
PA0: U4.6 U6.3 | length 69.1
  Top Layer w0.55: U6.3 47.673,87.995 48.112,88.434 48.112,88.437 49.112,89.437 60.984,89.437 64.313,86.108 88.318,86.108 92.794,81.632 92.794,77.193 v2(94.04,75.946) ; v2(94.247,71.599) 94.442,71.599 95.056,70.984 99.549,70.984 100.483,70.05 U4.6
  Bottom Layer w0.55: v2(94.04,75.946) 94.247,75.739 v2(94.247,71.599)
PA1: U4.7 U6.2 | length 76.5
  Top Layer w0.55: U6.2 50.072,87.59 50.072,86.728 47.153,83.809 47.153,70.972 52.504,65.62 64.171,65.62 65.203,66.652 73.113,66.652 76.504,70.043 98.937,70.043 99.683,69.297 U4.7
PA2: K10.2 R13.1 U4.8 | length 72.9
  Top Layer w0.55: v2(96.713,67.733) 98.883,67.733 U4.8 ; R13.1 104.104,22.4 K10.2
  Bottom Layer w0.55: v2(96.713,67.733) 119.05,45.396 119.05,28.993 117.684,27.627 109.73,27.627 107.575,25.472 K10.2
PA3: K8.2 R11.1 U4.9 | length 50.3
  Top Layer w0.55: v2(89.179,66.322) 90.832,66.322 91.249,65.905 U4.9 ; R11.1 105.907,40.128 107.587,38.447 K8.2
  Bottom Layer w0.55: v2(89.179,66.322) 89.204,66.297 89.204,64.862 90.853,63.213 93.594,63.213 100.121,56.686 100.121,41.291 101.284,40.128 R11.1
PA4: K6.2 R9.1 U4.10 | length 31.8
  Top Layer w0.55: v2(91.516,64.536) 91.516,64.585 92.036,65.105 U4.10 ; R9.1 102.878,51.836 102.878,50.426 103.729,49.575 K6.2
  Bottom Layer w0.55: v2(91.516,64.536) 91.564,64.584 94.898,64.584 102.888,56.594 102.888,51.97 R9.1
PA5: R5.2 U4.11 | length 24.4
  Top Layer w0.55: R5.2@87.166,58.18 R5.2 86.413,57.905 83.214,61.105 83.214,64.351 83.776,64.913 88.44,64.913 90.14,63.213 92.107,63.213 93.199,64.305 U4.11
PA7: K9.2 R12.1 U4.13 | length 71.7
  Top Layer w0.55: v2(90.999,61.156) 91.333,61.156 92.881,62.705 U4.13 ; R12.1 124.236,40.128 126.263,38.101 126.263,36 K9.2
  Bottom Layer w0.55: v2(90.999,61.156) 93.881,61.156 98.377,56.66 98.377,39.704 102.671,35.411 104.231,35.411 106.736,32.906 113.617,32.906 117.175,36.464 R12.1
PA8: K7.2 R10.1 U4.18 | length 43.6
  Top Layer w0.55: K7.2 93.925,27.08 98.741,22.264 R10.1 ; v2(95.588,53.961) 97.03,53.961 99.683,56.614 U4.18
  Bottom Layer w0.55: K7.2 93.925,52.298 v2(95.588,53.961)
RS: K2.6 U4.14 | length 65.8
  Top Layer w0.55: U4.14 93.503,61.905 89.245,57.647 89.245,52.664 91.068,50.841 97.121,50.841 99.688,53.408 124.301,53.408 127.64,56.747 127.64,62.596 K2.6
RW: K2.8 U4.15 | length 57.6
  Top Layer w0.55: U4.15 94.128,61.105 90.386,57.362 90.386,53.333 91.782,51.937 96.668,51.937 99.341,54.61 123.245,54.61 126.596,57.961 126.596,62.239 126.144,62.691 K2.8
SWCLK: K3.2 U4.24 | length 27
  Top Layer w0.55: U4.24 115.358,58.505 116.479,57.384 v2(116.479,57.363)
  Bottom Layer w0.55: v2(116.479,57.363) 116.482,57.359 116.482,55.903 124.357,48.028 K3.2
SWDIO: K3.3 U4.23 | length 29
  Top Layer w0.55: U4.23 103.683,56.752 104.212,56.223 v2(112.99,56.223)
  Bottom Layer w0.55: v2(112.99,56.223) 113.019,56.223 123.754,45.488 K3.3
pads on no net: K2.4 M1.S M2.S M3.S M4.S U4.12 U4.19 U4.20 U4.21 U4.22 U4.25 U6.6 U6.7
copper on no net:
  other v1: 32.227,20.458 124.595,20.458 30.813,21.044 33.641,21.044 123.18,21.044 126.009,21.044 30.227,22.458 34.227,22.458 122.595,22.458 126.595,22.458 30.813,23.873 33.641,23.873 123.18,23.873 126.009,23.873 32.227,24.458 124.595,24.458 32.227,84.449 124.595,84.449 30.813,85.035 33.641,85.035 123.18,85.035 126.009,85.035 30.227,86.449 34.227,86.449 122.595,86.449 126.595,86.449 30.813,87.863 33.641,87.863 123.18,87.863 126.009,87.863 32.227,88.449 124.595,88.449

## Polygon pours and split planes (outlines as drawn)
GND on Bottom Layer "BOTT" (solid, remove dead copper, pour order 0): 128.295,18.758 128.448,18.912 128.448,90.266 28.448,90.266 28.632,90.082 28.632,71.208 68.432,71.208 68.553,71.088 68.553,62.031 86.071,62.031 85.593,61.553 85.593,46.843 91.828,46.843 91.907,46.922 91.945,46.884 91.945,18.702
GND on Top Layer "TOP" (solid, remove dead copper, pour order 2): 127.987,18.926 128.14,19.079 128.14,90.434 28.14,90.434 28.324,90.249 28.324,71.375 68.125,71.375 68.245,71.255 68.245,62.199 85.763,62.199 85.285,61.72 85.285,47.01 91.52,47.01 91.6,47.089 91.637,47.052 91.637,18.869

## Keep-outs
Keep-Out Layer:
  the board outline again, w0.254

## Text inside footprints (layer, text, board x,y; h text height)
K1: Top Overlay "NC" at 63.972,54.277 h1.5 r270; Top Overlay "NO" at 63.794,45.438 h1.5 r270; Top Overlay "COM" at 55.056,50.67 h1.5 r270
T1: Top Overlay "2" at 29.54,29.796 h1.27 r270; Top Overlay "1" at 29.54,34.622 h1.27 r270
T2: Top Overlay "1" at 29.582,53.569 h1.27 r270; Top Overlay "2" at 29.582,48.743 h1.27 r270; Top Overlay "3" at 29.582,43.663 h1.27 r270